# Altium PCB RPIadaptor.PcbDoc (part 1 of 2) (continued)
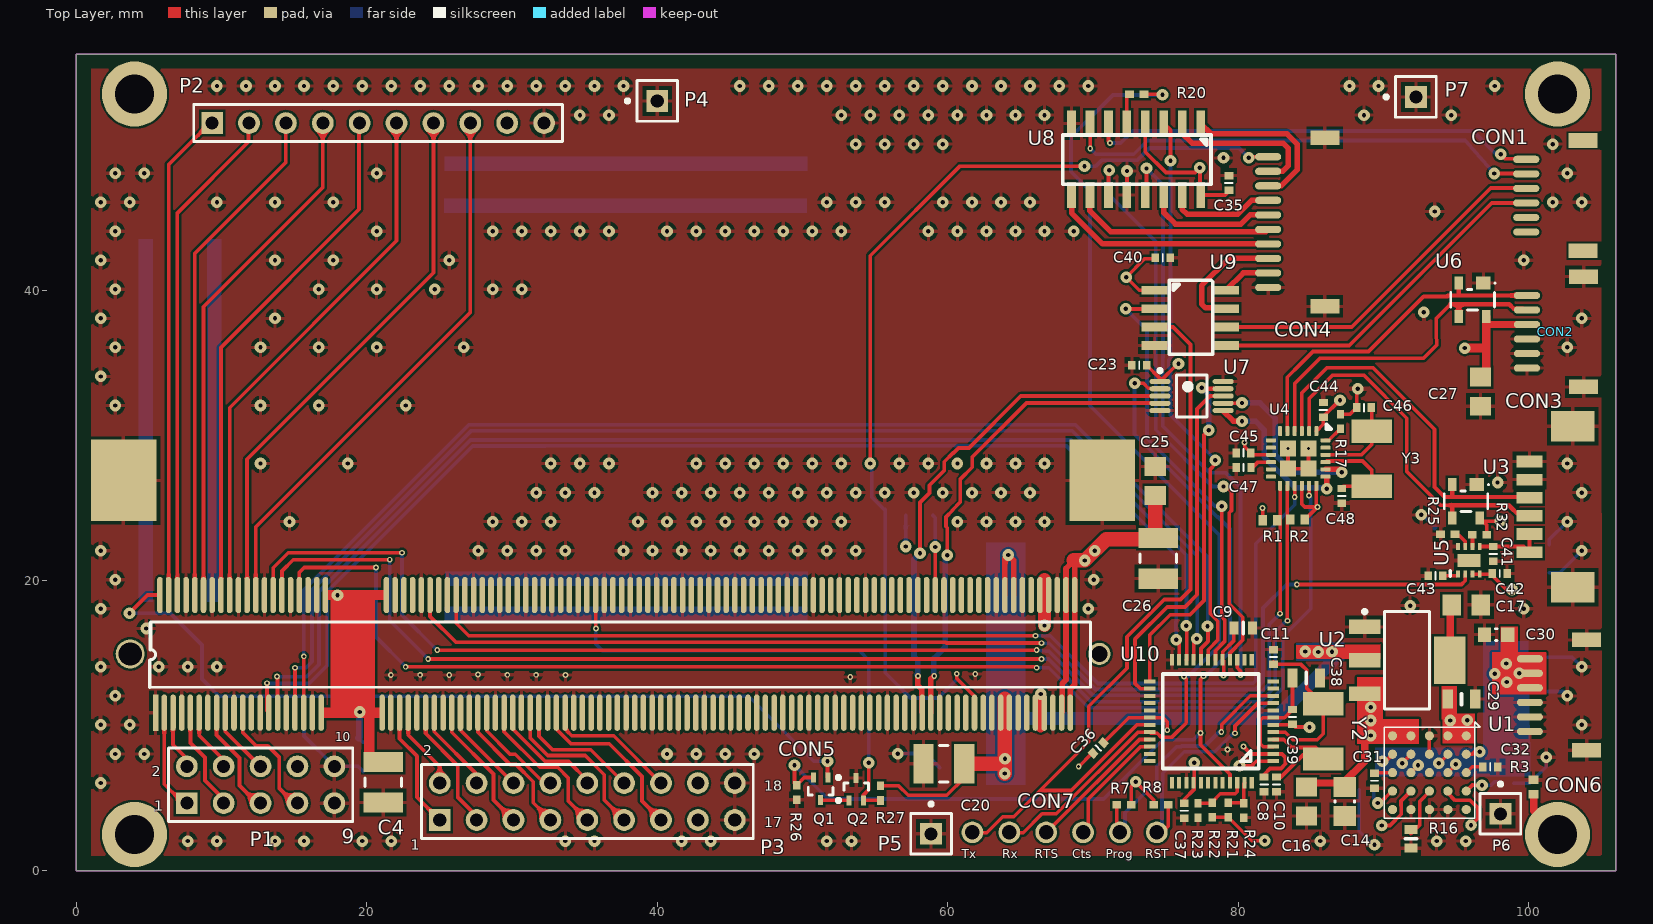
[diagram p0: Top Layer view]
## Footprints (in the part's own frame and the unit in brackets; to place one, negate y for a bottom-side part, rotate by r counter-clockwise, add the part's x,y. Pads: shape width x height; smd on the part's side, far side on the other; paste and mask are expansions set on the pad) (continued)
  rect 5.6x4.5 smd: GND(16,2.7) GND(16,-64.7)
  round 2 hole 1.6 unplated: SODIMM_MH1(4.05,2.25)
  round 1.524 hole 1.1 unplated: SODIMM_MH2(4.05,-64.5)
  silkscreen extent 1.75,-63.9 6.25,0.9, body extent -0.9,-66.9 25.15,4.6, height 5.2
SOIC127P820X265-8N [mm] "SOIC, 8-Leads, Body 6.40x5.71mm, Pitch 1.27mm, IPC Medium Density"
  rect 1.77x0.6 smd: 1(0,8.89) 2(0,7.62) 3(0,6.35) 4(0,5.08) 5(0,3.81) 6(0,2.54) 7(0,1.27) 8(0,0) 9(4.928,0) 10(4.928,1.27) 11(4.928,2.54) 12(4.928,3.81) 13(4.928,5.08) 14(4.928,6.35) 15(4.928,7.62) 16(4.928,8.89)
  silkscreen extent 0.8,-0.6 4.2,9.6, body extent -0.6,-0.5 5.6,9.5, height 1.76
"SON8 (2X2)" [mm]
  rect 0.5x0.25 smd: 1(-0.95,0.75) 2(-0.95,0.25) 3(-0.95,-0.25) 4(-0.95,-0.75) 5(0.95,-0.75) 6(0.95,-0.25) 7(0.95,0.25) 8(0.95,0.75)
  rect 0.9x1.6 smd: 9(-0.01,0)
  silkscreen extent -1.09,1.29 -0.74,1.29, body extent -1,-1.01 1,0.99, height 0.77
SOT143B [mm] "SOT143, 4-Leads, Body 2.90x2.30mm, Pitch 1.90mm, IPC Medium Density"
  rect 0.9x1 smd: 1(-1.15,0.75)
  rect 0.9x0.6 smd: 2(-1.15,-0.95) 3(1.15,-0.95) 4(1.15,0.95)
  silkscreen extent -1.2,-1.5 0.7,1.6, body extent -1.15,-1.5 1.15,1.5, height 1.1
SOT230P700X180-4N [mm] "SOT223, 4-Leads, Body 6.50x7.00mm (avg), Pitch 2.30mm, IPC Medium Density"
  rect 2.15x1 smd: 1(-2.925,-2.3) 2(-2.925,0) 3(-2.925,2.3)
  rect 2.15x3.25 smd: 4(2.925,0)
  silkscreen extent -3.05,-3.35 1.55,3.47, body extent -3.5,-3.35 3.5,3.35, height 1.8
SOT523 [mm]
  rect 0.7x0.35 smd: 1(-0.775,0.5) 2(-0.775,-0.5) 3(0.775,0)
  silkscreen extent -0.9,-0.85 0.43,1.35, body extent -0.8,-0.85 0.8,0.85, height 0.9
T1M-06-F-SH-L-K [mm]
  oval 0.5x1.8 smd: 1(5,0) 2(4,0) 3(3,0) 4(2,0) 5(1,0) 6(0,0)
  rect 1x2 smd: GND(-1.3,-3.9) GND(6.3,-3.9)
  body extent -1.7,-5.48 6.7,0.42, height 4.72
T1M-10-F-SH-L-K [mm]
  oval 0.5x1.8 smd: 1(0,0) 2(-1,0) 3(-2,0) 4(-3,0) 5(-4,0) 6(-5,0) 7(-6,0) 8(-7,0) 9(-8,0) 10(-9,0)
  rect 1x2 smd: GND(-10.3,-3.9) GND(1.3,-3.9)
  body extent -10.7,-5.47 1.7,0.42, height 4.7
VNC2L [mm]
  rect 0.28x0.8 smd: 1(-2.15,-4.45) 2(-1.65,-4.45) 3(-1.15,-4.45) 4(-0.65,-4.45) 5(-0.15,-4.45) 6(0.35,-4.45) 7(0.85,-4.45) 8(1.35,-4.45) 9(1.85,-4.45) 10(2.35,-4.45) 11(2.85,-4.45) 12(3.35,-4.45) 25(3.35,4.05) 26(2.85,4.05) 27(2.35,4.05) 28(1.85,4.05) 29(1.35,4.05) 30(0.85,4.05) 31(0.35,4.05) 32(-0.15,4.05) 33(-0.65,4.05) 34(-1.15,4.05) 35(-1.65,4.05) 36(-2.15,4.05)
  rect 0.8x0.28 smd: 13(4.83,-2.97) 14(4.83,-2.47) 15(4.83,-1.97) 16(4.83,-1.47) 17(4.83,-0.97) 18(4.83,-0.47) 19(4.83,0.03) 20(4.83,0.53) 21(4.83,1.03) 22(4.83,1.53) 23(4.83,2.03) 24(4.83,2.53) 37(-3.63,2.53) 38(-3.63,2.03) 39(-3.63,1.53) 40(-3.63,1.03) 41(-3.63,0.53) 42(-3.63,0.03) 43(-3.63,-0.47) 44(-3.63,-0.97) 45(-3.63,-1.47) 46(-3.63,-1.97) 47(-3.63,-2.47) 48(-3.63,-2.97)
  silkscreen extent -2.65,-3.45 3.85,3.15, body extent -3.89,-4.69 5.09,4.29, height 1.6

## Part data
C4 C20 C26: Capacitance=47µF, Manufacturer=Kemet, Operating Temperature="-55°C ~ 125°C", Package / Case="1210 (3225 Metric)", Ratings=-, Supplier Part Number 1=399-12072-1-ND, Temperature Coefficient=X7R, Tolerance=±20%, Voltage - Rated=10V, Applications="General Purpose", Category=Capacitors, ComponentLink1Description=http://www.alliedelec.com/m/d/51f554c3dd800f51434b811e71a34895.pdf, ComponentLink1URL=http://www.alliedelec.com/m/d/51f554c3dd800f51434b811e71a34895.pdf, Family="Ceramic Capacitors", Features=-, Height - Seated (Max)=-, Lead Spacing=-, Lead Style=-, Manufacturer Part Number=C1210C476M8RAC7800, Mounting Type="Surface Mount, MLCC", Packaging="Tape &amp; Reel (TR)", Pricing 1="1=1.47, 10=1.159, 25=1.0628, 50=1.0046, 100=0.8694, 250=0.7728, 500=0.6569 (USD)", Series=C, Size / Dimension="0.126\" L x 0.098\" W (3.20mm x 2.50mm)", Stock 1=9455, Supplier 1=Digikey, Thickness (Max)="0.110\" (2.80mm)"
C5 C16 C17: Capacitance=10µF, Capacitance Tolerance="± 20%", Capacitor Case Style="0805 [2012 Metric]", Dielectric Characteristic=X7R, Manufacturer=Kemet, Operating Temperature Max=125°C, Operating Temperature Min=-55°C, Supplier Part Number 1=399-7413-1-ND, Voltage Rating=10V, Ceramic Capacitor Case="0805 [2012 Metric]", ComponentLink1Description=https://datasheet.ciiva.com/5408/kem-c1002-x7r-smd-5408794.pdf, ComponentLink1URL=https://datasheet.ciiva.com/5408/kem-c1002-x7r-smd-5408794.pdf, Manufacturer Part Number=C0805C106M8RACTU, MSL="MSL 1 - Unlimited", Packaging="Tape & Reel", Pricing 1="1=0.52, 10=0.362, 25=0.2972, 50=0.2536, 100=0.2174, 250=0.1811, 500=0.163, 1000=0.1377 (USD)", Product Range="KEMET - C Series", Stock 1=17950, Supplier 1=Digikey, SVHC="No SVHC (16-Jun-2014)"
C6: library part "CAP 0805", "0805 CAP"
C7 C24 C28 C29 C38: library part "CAP 0805", "805 Capacitor"
C8 C23 C35 C36 C40 C41 C42 C43: library part "CAP 0402"
C9: library part "CAP 0603", "603 Capacitor"
C10 C11 C37 C39 C46 C48: library part "CAP 0402", "CBR04C680F3GAC"
C14: library part CMP-1036-04876-1, "GRM21BR60J476ME15L", Case-EIA=0805, Case-Metric=2012, Rated Voltage="6.3 V", Tolerance=Â±10%, Max Thickness="1.45 mm", Technology=SMT
C15 C18 C19 C25 C27: Capacitance="0.1 µF", Case Size="0805 (2012 mm)", Dielectric Characteristic=X7R, Manufacturer=Kemet, Manufacturer Part Number=C0805C104K5RAC-TU, Supplier Part Number 1=399-1170-1-ND, Tolerance="-10, +10 %", Voltage, Rating="50 VDC", Brand/Series="C Series", ComponentLink1Description=https://datasheet.ciiva.com/14589/70095383-14589048.pdf, ComponentLink1URL=https://datasheet.ciiva.com/14589/70095383-14589048.pdf, ComponentLink2Description=https://datasheet.ciiva.com/28682/1851736-28682232.pdf, ComponentLink2URL=https://datasheet.ciiva.com/28682/1851736-28682232.pdf, ComponentLink3Description=https://datasheet.ciiva.com/7842/1851736-7842539.pdf, ComponentLink3URL=https://datasheet.ciiva.com/7842/1851736-7842539.pdf, ComponentLink4Description=https://datasheet.ciiva.com/32431/slceramic-chip-condensers-e-32431755.pdf, ComponentLink4URL=https://datasheet.ciiva.com/32431/slceramic-chip-condensers-e-32431755.pdf, ComponentLink5Description=https://datasheet.ciiva.com/18410/70095383-18410815.pdf, ComponentLink5URL=https://datasheet.ciiva.com/18410/70095383-18410815.pdf, Dimensions="0.079\" x 0.049\" (2 x 1.25mm) LxW", Material, Element=Ceramic, Mounting Type=PCB, Packaging="Cut Tape", Pricing 1="1=0.1, 10=0.053, 25=0.0388, 50=0.029, 100=0.0237, 250=0.0198, 500=0.0169, 1000=0.0133 (USD)", Stock 1=2895664, Supplier 1=Digikey, Termination=SMD
C30: library part CMP-1035-01192-1, "GRM188C81E475KE11D", Case-EIA=0603, Case-Metric=1608, Rated Voltage="25 V", Tolerance=Â±10%, Max Thickness="1 mm", Technology=SMT
C31 C32: library part "CAP 0402", "402 Capacitor"
C44 C45: library part "CAP 0402", "402 cap"
C47: library part "CAP 0402", "402"
CON1 CON2 CON6: "6 Positions Header Connector Surface Mount, Right Angle", Manufacturer=Samtec, Supplier Part Number 1=SAM11991-ND, Manufacturer Part Number=T1M-06-F-SH-L-K, Stock 1=0, Supplier 1=Digi-Key
CON3: "CONN HEADER 6POS 1.25MM R/A SMD", Manufacturer=Molex, Supplier Part Number 1=WM7624CT-ND, Category="Connector Headers and PCB Receptacles", ComponentLink1Description=https://datasheet.ciiva.com/6813/532610671-sd-6813952.pdf, ComponentLink1URL=https://datasheet.ciiva.com/6813/532610671-sd-6813952.pdf, ComponentLink2Description=https://datasheet.ciiva.com/3933/353410532610671-pcb-headers-3933365.pdf, ComponentLink2URL=https://datasheet.ciiva.com/3933/353410532610671-pcb-headers-3933365.pdf, ComponentLink3Description=https://datasheet.ciiva.com/6813/532610671-sd-6813942.pdf, ComponentLink3URL=https://datasheet.ciiva.com/6813/532610671-sd-6813942.pdf, ComponentLink4Description=https://datasheet.ciiva.com/3117/0532610671-pcb-headers-3117609.pdf, ComponentLink4URL=https://datasheet.ciiva.com/3117/0532610671-pcb-headers-3117609.pdf, ComponentLink5Description=https://datasheet.ciiva.com/3117/0532610671-pcb-headers-3117610.pdf, ComponentLink5URL=https://datasheet.ciiva.com/3117/0532610671-pcb-headers-3117610.pdf, ComponentLink6Description=https://datasheet.ciiva.com/6813/532610671-sd-6813947.pdf, ComponentLink6URL=https://datasheet.ciiva.com/6813/532610671-sd-6813947.pdf, ComponentLink7Description=https://datasheet.ciiva.com/48768/0532610671-pcb-headers-48768267.pdf, ComponentLink7URL=https://datasheet.ciiva.com/48768/0532610671-pcb-headers-48768267.pdf, Contact Plating="Tin Over Nickel", Gender=HDR, Manufacturer Part Number=0532610671, Number of Contacts=6, Number of Rows=1, Packaging="Cut Tape", Pitch="1.25 mm", Pricing 1="1=1.37, 10=1.239, 100=1.0624, 500=0.8853 (USD)", Stock 1=23842, Supplier 1=Digi-Key, Termination Method=Solder, Type="Shrouded Header"
CON4: "10 Positions Header Connector Surface Mount, Right Angle"
CON5: Manufacturer="TE Connectivity (Tyco Electronics)", Standard Package=20, Supplier Part Number 1=A114851-ND, 3D Model=1473005-4.pdf, Category="Connectors, Interconnects", ComponentLink1Description=https://datasheet.ciiva.com/682/eng-cd-1473005-j2-682720.pdf, ComponentLink1URL=https://datasheet.ciiva.com/682/eng-cd-1473005-j2-682720.pdf, ComponentLink2Description=https://datasheet.ciiva.com/15171/getdatasheetpartid-99150-15171488.pdf, ComponentLink2URL=https://datasheet.ciiva.com/15171/getdatasheetpartid-99150-15171488.pdf, ComponentLink3Description=https://datasheet.ciiva.com/1105/582309-1105221.pdf, ComponentLink3URL=https://datasheet.ciiva.com/1105/582309-1105221.pdf, ComponentLink4Description=https://datasheet.ciiva.com/682/eng-cd-1473005-j2-682726.pdf, ComponentLink4URL=https://datasheet.ciiva.com/682/eng-cd-1473005-j2-682726.pdf, ComponentLink5Description=https://datasheet.ciiva.com/14156/04821302-14156311.pdf, ComponentLink5URL=https://datasheet.ciiva.com/14156/04821302-14156311.pdf, ComponentLink6Description=https://datasheet.ciiva.com/3136/eng-cd-1473005-j-3136060.pdf, ComponentLink6URL=https://datasheet.ciiva.com/3136/eng-cd-1473005-j-3136060.pdf, ComponentLink7Description=https://datasheet.ciiva.com/16380/eng-cd-1473005-j-16380909.pdf, ComponentLink7URL=https://datasheet.ciiva.com/16380/eng-cd-1473005-j-16380909.pdf, ComponentLink8Description=https://datasheet.ciiva.com/16651/eng-cd-1473005-j-16651646.pdf, ComponentLink8URL=https://datasheet.ciiva.com/16651/eng-cd-1473005-j-16651646.pdf, Connector Style=SODIMM, Contact Finish=Gold, Contact Finish Thickness=Flash, Family="Memory Connectors - Inline Module Sockets", Features="Board Guide, Latches", Manufacturer Part Number=1473005-4, Memory Type="DDR 2 SDRAM", Minimum Quantity=SODIMM, Mounting Feature=Standard, Mounting Type="Surface Mount, Right Angle", Number of Positions=200, Other Names="1473005-4-ND / A114851", Packaging=Tray, Pricing 1="1=3.9, 10=3.744, 50=3.276, 100=3.12, 250=2.73, 500=2.652, 1000=2.262, 2500=2.106 (USD)", Quantity Available=Tray, RoHS Information="1473005-4 Statement of Compliance /  / RoHS 2 Statement", Series=AMP, Stock 1=1922, Supplier 1=Digikey, Unit PriceUSD=AMP
P1: "Header, 5-Pin, Dual row", LatestRevisionDate=17-Jul-2002, LatestRevisionNote="Re-released for DXP Platform.", Publisher="Altium Limited"
P2: "Header, 10-Pin", LatestRevisionDate=17-Jul-2002, LatestRevisionNote="Re-released for DXP Platform.", Publisher="Altium Limited"
P3: "Header, 9-Pin, Dual row", LatestRevisionDate=17-Jul-2002, LatestRevisionNote="Re-released for DXP Platform.", Publisher="Altium Limited"
Q1 Q2: "N-Channel MOSFET", Drain-Source On Resistance-Max="400 mO", Drain-to-Source Voltage [Vdss]="20 V", Manufacturer=Diodes, Rated Power Dissipation="280 mW", Supplier Part Number 1=DMG1012T-7DICT-ND, Channel Type=N-Channel, ComponentLink1Description=https://datasheet.ciiva.com/934/ds31783-934512.pdf, ComponentLink1URL=https://datasheet.ciiva.com/934/ds31783-934512.pdf, ComponentLink2Description=https://datasheet.ciiva.com/4442/ds31783-44973-4442944.pdf, ComponentLink2URL=https://datasheet.ciiva.com/4442/ds31783-44973-4442944.pdf, ComponentLink3Description=https://datasheet.ciiva.com/11174/ds31783-11174965.pdf, ComponentLink3URL=https://datasheet.ciiva.com/11174/ds31783-11174965.pdf, ComponentLink4Description=https://datasheet.ciiva.com/17324/ds31783-17324010.pdf, ComponentLink4URL=https://datasheet.ciiva.com/17324/ds31783-17324010.pdf, ComponentLink5Description=https://datasheet.ciiva.com/6383/ds31783-6383803.pdf, ComponentLink5URL=https://datasheet.ciiva.com/6383/ds31783-6383803.pdf, ComponentLink6Description=https://datasheet.ciiva.com/934/ds31783-934511.pdf, ComponentLink6URL=https://datasheet.ciiva.com/934/ds31783-934511.pdf, LatestRevisionDate=17-Jul-2002, LatestRevisionNote="Re-released for DXP Platform.", Manufacturer Part Number=DMG1012T-7, PackageDescription="TO, Flat Index; 3 In-Line, Axial Leads; Body Dia. 4.6mm; Lead Dia. 0.5 mm (max)", PackageReference=E3, PackageVersion=1995/1996, Pricing 1="1=0.33, 10=0.268, 100=0.1421, 500=0.0935, 1000=0.0636 (USD)", Published=8-Jun-2000, Publisher="Altium Limited", Qg Gate Charge="0.74 nC", Stock 1=327, Supplier 1=Digikey
R1 R2 R3 R7 R8 R14 R15 R17 R20 R21 R22 R23 R24 R25 R26 R27 R32: library part "RES 0402", "402 Resistor"
R9: library part CRCW080510K0FKEA_ESTE, Case Code - in=0805, Case Code - mm=2012, Case Height="0.45 mm", Case Length="2 mm", Case Width="1.25 mm", Manufacturer=Vishay, Manufacturer Part Number=CRCW080510K0FKEA, Operating Temperature Range="- 55 C to + 155 C", Package / Case="0805 (2012 metric)", Power Rating="125 mW (1/8 W)", Resistance="10 kOhms", Supplier Part Number 1=541-10.0KCCT-ND, Temperature Coefficient="100 PPM / K", Tolerance="1 %", Voltage Rating="150 V", Brand="Vishay / Dale", ComponentLink1Description=https://datasheet.ciiva.com/5547/dcrcwe3-109170-5547559.pdf, ComponentLink1URL=https://datasheet.ciiva.com/5547/dcrcwe3-109170-5547559.pdf, ComponentLink2Description=https://datasheet.ciiva.com/11808/0900766b80d98b26-11808216.pdf, ComponentLink2URL=https://datasheet.ciiva.com/11808/0900766b80d98b26-11808216.pdf, ComponentLink3Description=https://datasheet.ciiva.com/16719/70201119-16719082.pdf, ComponentLink3URL=https://datasheet.ciiva.com/16719/70201119-16719082.pdf, ComponentLink4Description=https://datasheet.ciiva.com/16514/dcrcwe3-16514907.pdf, ComponentLink4URL=https://datasheet.ciiva.com/16514/dcrcwe3-16514907.pdf, ComponentLink5Description=https://datasheet.ciiva.com/16883/dcrcwe3-16883708.pdf, ComponentLink5URL=https://datasheet.ciiva.com/16883/dcrcwe3-16883708.pdf, ComponentLink6Description=https://datasheet.ciiva.com/8337/dcrcwe3-8337773.pdf, ComponentLink6URL=https://datasheet.ciiva.com/8337/dcrcwe3-8337773.pdf, ComponentLink7Description=https://datasheet.ciiva.com/16755/70201119-16755389.pdf, ComponentLink7URL=https://datasheet.ciiva.com/16755/70201119-16755389.pdf, ComponentLink8Description=https://datasheet.ciiva.com/46394/1720486-46394381.pdf, ComponentLink8URL=https://datasheet.ciiva.com/46394/1720486-46394381.pdf, ComponentLink9Description=https://datasheet.ciiva.com/8337/dcrcwe3-8337774.pdf, ComponentLink9URL=https://datasheet.ciiva.com/8337/dcrcwe3-8337774.pdf, ComponentLink10Description=https://datasheet.ciiva.com/16199/dcrcwe3-16199086.pdf, ComponentLink10URL=https://datasheet.ciiva.com/16199/dcrcwe3-16199086.pdf, Factory Pack Quantity=5000, Packaging=Reel, Pricing 1="1=0.1, 10=0.042, 25=0.0304, 50=0.0232, 100=0.017, 250=0.013, 500=0.0104, 1000=0.0077 (USD)", Product="Thick Film Resistors SMD", Product Category="Thick Film Resistors - SMD", RoHS=Details, Series=CRCW, Stock 1=0, Supplier 1=Digikey, Unit Weight="0.000194 oz"
R16: library part "RES 0603", "603 Resistor"
U1: library part LTM4622, "Dual Ultrathin 2.5A or Single 5A Step-Down DC/DC µModule Regulator", Ref=LTM4622IV#PBF
U2: "LDO", Dropout Voltage@Current (Max)=1.2@100mA/1.25@500mA, Dropout Voltage@Current (Typ)=1.1@100mA/1.15@500mA, Input Voltage="15 V", Manufacturer="Texas Instruments (TI) / National Semiconductor", Operating Temperature Classification=Commercial, Operating Temp Range="0C to 125C", Output Current="1.5 A", Output Voltage="1.8 V", Output Voltage Accuracy="?1 %", Package Type=SOT-223, Quiescent Current (Max)="10 mA", Supplier Part Number 1=LM1117MPX-1.8/NOPBCT-ND, Voltage Regulator Type=Linear, ComponentLink1Description=https://datasheet.ciiva.com/34302/1282521-34302144.pdf, ComponentLink1URL=https://datasheet.ciiva.com/34302/1282521-34302144.pdf, ComponentLink2Description=https://datasheet.ciiva.com/15111/getdatasheetpartid-112508-15111793.pdf, ComponentLink2URL=https://datasheet.ciiva.com/15111/getdatasheetpartid-112508-15111793.pdf, ComponentLink3Description=https://datasheet.ciiva.com/3223/lm1117-n-3223526.pdf, ComponentLink3URL=https://datasheet.ciiva.com/3223/lm1117-n-3223526.pdf, ComponentLink4Description=https://datasheet.ciiva.com/3223/lm1117-n-3223527.pdf, ComponentLink4URL=https://datasheet.ciiva.com/3223/lm1117-n-3223527.pdf, ComponentLink5Description=https://datasheet.ciiva.com/6591/lm1117-n-6591863.pdf, ComponentLink5URL=https://datasheet.ciiva.com/6591/lm1117-n-6591863.pdf, ComponentLink6Description=https://datasheet.ciiva.com/6591/lm1117-n-6591864.pdf, ComponentLink6URL=https://datasheet.ciiva.com/6591/lm1117-n-6591864.pdf, ComponentLink7Description=https://datasheet.ciiva.com/6591/lm1117-n-6591865.pdf, ComponentLink7URL=https://datasheet.ciiva.com/6591/lm1117-n-6591865.pdf, ComponentLink8Description=https://datasheet.ciiva.com/46386/1882372-46386047.pdf, ComponentLink8URL=https://datasheet.ciiva.com/46386/1882372-46386047.pdf, DELETED=Compliant, Input Voltage (Max)="15 V", Line Regulation=1mV, Load Regulation=1mV, Manufacturer Part Number=LM1117MPX-1.8/NOPB, Mounting="Surface Mount", Number of Outputs=Single, Packaging="Tape and Reel", Pin Count="3 +Tab", Polarity Type=Positive, Pricing 1="1=1.04, 10=0.927, 100=0.7225, 500=0.5969, 1000=0.4712 (USD)", Rad Hardened=No, Regulator Output Type=Fixed, Stock 1=19027, Supplier 1=Digikey, Topology=LDO
U3 U6: "TVS DIODE 5.5VWM SOT143B", Capacitance Value=16pF, ESD Protection Voltage="8KV@Contact Disc", Leakage Current=0.1uA, Manufacturer="NXP Semiconductors", Operating Temperature Classification=Industrial, Operating Temperature Max Deg. C=85C, Operating Temperature Min Deg. C=-40C, Operating Temp Range="-40C to 85C", Package / Case=SOT, Reverse Breakdown Voltage="6 V", Reverse Stand-off Voltage="5.5 V", Supplier Part Number 1=1727-3884-1-ND, Working Voltage=5.5V, ComponentLink1Description=https://datasheet.ciiva.com/4479/prtr5v0u2x-102853-4479461.pdf, ComponentLink1URL=https://datasheet.ciiva.com/4479/prtr5v0u2x-102853-4479461.pdf, ComponentLink2Description=https://datasheet.ciiva.com/16199/prtr5v0u2x-16199605.pdf, ComponentLink2URL=https://datasheet.ciiva.com/16199/prtr5v0u2x-16199605.pdf, ComponentLink3Description=https://datasheet.ciiva.com/28409/109718-28409830.pdf, ComponentLink3URL=https://datasheet.ciiva.com/28409/109718-28409830.pdf, ComponentLink4Description=https://datasheet.ciiva.com/6918/109718-6918650.pdf, ComponentLink4URL=https://datasheet.ciiva.com/6918/109718-6918650.pdf, ComponentLink5Description=https://datasheet.ciiva.com/335/prtr5v0u2x-335467.pdf, ComponentLink5URL=https://datasheet.ciiva.com/335/prtr5v0u2x-335467.pdf, ComponentLink6Description=https://datasheet.ciiva.com/25919/prtr5v0u2x-25919147.pdf, ComponentLink6URL=https://datasheet.ciiva.com/25919/prtr5v0u2x-25919147.pdf, ComponentLink7Description=https://datasheet.ciiva.com/11193/prtr5v0u2x-11193230.pdf, ComponentLink7URL=https://datasheet.ciiva.com/11193/prtr5v0u2x-11193230.pdf, ComponentLink8Description=https://datasheet.ciiva.com/31402/109718-31402206.pdf, ComponentLink8URL=https://datasheet.ciiva.com/31402/109718-31402206.pdf, ComponentLink9Description=https://datasheet.ciiva.com/26787/prtr5v0u2x-215-26787348.pdf, ComponentLink9URL=https://datasheet.ciiva.com/26787/prtr5v0u2x-215-26787348.pdf, Configuration=Quad, Direction Type=Uni-Directional, Leakage Current (Max)=0.1uA, Manufacturer Part Number=PRTR5V0U2X,215, Mounting="Surface Mount", Mounting Style="Surface Mount", Number of  Elements=1, Package Type=SOT, Packaging="Tape and Reel", Pin Count="3 +Tab", Polarity=Uni-Directional, Pricing 1="1=0.52, 10=0.447, 100=0.334, 500=0.2624, 1000=0.2028 (USD)", Product Depth (mm)="1.4 mm", Product Height (mm)="1 mm", Product Length (mm)="3 mm", Rad Hardened=No, Stock 1=73838, Supplier 1=Digi-Key, Suppressor Type="Diode Arrays", Working Voltage (Max)=5.5V
U7: "2 ports USB switch", Analog Switch ON Resistance=6.5@3VOhm, Dual Supply Voltage (Max)="Not RequiredV", Manufacturer="Fairchild Semiconductor", Manufacturer Part Number=FSUSB42MUX, Operating Temperature Classification=Industrial, Operating Temp Range="-40C to 85C", Package Type=MSOP, Power Supply Requirement=Single, Single Supply Voltage (Max)=4.4V, Single Supply Voltage (Min)=3V, Supplier Part Number 1=FSUSB42MUXDKR-ND, Analog Switch Turn Off Time=12(Typ)@3.3Vns, Analog Switch Turn On Time=13(Typ)@3.3Vns, ComponentLink1Description=https://datasheet.ciiva.com/26074/fsusb42-26074738.pdf, ComponentLink1URL=https://datasheet.ciiva.com/26074/fsusb42-26074738.pdf, ComponentLink2Description=https://datasheet.ciiva.com/3232/fsusb42-3232662.pdf, ComponentLink2URL=https://datasheet.ciiva.com/3232/fsusb42-3232662.pdf, ComponentLink3Description=https://datasheet.ciiva.com/3233/fsusb42-3233258.pdf, ComponentLink3URL=https://datasheet.ciiva.com/3233/fsusb42-3233258.pdf, ComponentLink4Description=https://datasheet.ciiva.com/1666/fsusb42-1666347.pdf, ComponentLink4URL=https://datasheet.ciiva.com/1666/fsusb42-1666347.pdf, ComponentLink5Description=https://datasheet.ciiva.com/1666/fsusb42-1666348.pdf, ComponentLink5URL=https://datasheet.ciiva.com/1666/fsusb42-1666348.pdf, ComponentLink6Description=https://datasheet.ciiva.com/1666/fsusb42-1666349.pdf, ComponentLink6URL=https://datasheet.ciiva.com/1666/fsusb42-1666349.pdf, ComponentLink7Description=https://datasheet.ciiva.com/4924/fsusb42-112719-4924269.pdf, ComponentLink7URL=https://datasheet.ciiva.com/4924/fsusb42-112719-4924269.pdf, Dual Supply Voltage (Min)="Not RequiredV", Dual Supply Voltage (Typ)="Not RequiredV", Mounting="Surface Mount", Multiplexer Configuration="Single DPDT", Number of Channels=1, Number of Inputs=2, Number of Outputs=4, Packaging="Tape and Reel", Pin Count=10, Pricing 1="1=0.62, 10=0.544, 100=0.4169, 500=0.3296, 1000=0.2637 (USD)", Stock 1=2789, Supplier 1=Digikey
Y3: library part 7A-12.000MAAE-T
P4 P5 P6 P7: LatestRevisionDate=17-Jul-2002, LatestRevisionNote="Re-released for DXP Platform.", Publisher="Altium Limited"

## Free pads (board coordinates)
  round 0.8 hole 0.3: 2(89.9,3.125) 2(96.046,3.15)
  round 4.5 hole 2.7: MH1(4,2.5) MH1(4,53.5) MH1(102,2.5) MH1(102,53.5)

## Via types
v1: diameter 0.8, hole 0.3, Top Layer to Bottom Layer, 301 vias
v2: diameter 0.4, hole 0.2, Top Layer to Bottom Layer, 51 vias

## Nets (pads, with @x,y where several pads share a name; then routed paths per layer and width w, separated by ;. In a path a pad name is that pad's centre, name@x,y a point inside that pad or via, vN(x,y) a via of type N, cw(c..) or ccw(c..) an arc to the next point about the centre after c; other vN are vias at no path point)
1V8P: C19.1 C20.1 CON5.183 CON5.184 CON5.185 CON5.186 R27.1 U2.2 | length 47.1
  Top Layer w0.254: R27.1@55.375,5.85 56.639,5.85 57.289,5.2 59.946,5.2 61.136,6.39 C20.1@61.136,7.373 ; 63.925,11.859 63.941,11.875 ; v1@63.95,21.525 v1(64.175,21.75)
  Top Layer w0.38: CON5.184@63.95,18.99 v1@63.95,21.525 ; v1(64.175,21.75) 64.55,21.375 CON5.186@64.55,18.99
  Top Layer w1: C20.1@61.136,7.373 63.598,7.373 ; v1(63.925,6.7) 63.925,11.859
  Bottom Layer w0.5: C19.1@61.447,7.109 63.098,7.109
  Bottom Layer w0.9: 64.65,11.35 65.5,10.5 78.182,10.5 78.205,10.477 82.541,10.477 86.475,14.411 v1(86.475,15.098)
  other v1: 63.95,7.725 85.518,15.075 84.619,15.107
3V3P: C4.1 C5.1 C8.1 C9.1 C14.2 C15.1 C16.1 C23.1 C35.1 C36.1 C37.1 C40.1 C44.1 C45.1 CON5.39 CON5.40 CON5.41 CON5.42 CON5.191 CON5.192 CON5.193 CON5.194 P1.8 P2.9 P3.15 P3.16 R1.2 R2.2 R7.2 R8.2 R9.1 R21.1 R22.2 U1.D1 U1.E1 U2.1 U4.1 U4.9 U4.16 U4.18 U7.1 U8.4 U8.16 U9.1 U10.2 U10.17 U10.30 U10.40 | length 82.4
  Top Layer w0.254: C36.1@70.734,8.816 72.468,10.55 U10.30@73.925,10.55 74.831,10.55 75.125,10.256 v2(75.125,9.688) ; R7.2@72.65,4.55 72.65,5.825 v1(72.95,6.125) 74.2,4.875 R8.2@74.2,4.55 ; U8.4@73.615,51.479 73.615,49.515 75.031,48.1 77.05,48.1 v1(77.375,48.425) 77.375,46.601 U8.16@77.425,46.551 79.126,46.551 C35.1@79.4,46.825 ; C23.1@73.708,34.825 74.625,33.908 U7.1@74.625,33.7 75.85,34.925 v1(75.9,34.925) ; U9.1@74.254,39.989 73.201,39.989 v1(72.301,40.889) 73.562,42.15 C40.1@74.35,42.15 ; C37.1@76.3,4.649 76.3,4.931 76.975,5.606 v1(76.975,7.45) ; R22.2@78.225,3.694 R21.1@79.325,3.694 80.944,2.075 v1(81.85,2.075) ; v2(79.006,13.441) 79.006,14.469 U10.17@78.945,14.53 78.945,15.085 79.715,15.855 C9.1@79.715,16.725 ; v2(80.375,8.558) 80.883,8.05 U10.2@82.425,8.05 83.025,8.05 83.275,7.8 83.275,7.368 82.957,7.05 82.2,7.05 81.8,6.65 C8.1@81.8,6.458 ; v2(80.455,29.5) 80.455,29.214 C45.1@80.883,28.786 ; C45.1@80.883,28.65 U4.9@82.268,28.65 ; v2(81.675,24.997) 81.7,24.972 R1.2@81.7,24.15 ; U4.16@84.398,26.52 84.398,25.255 84.6,25.052 ; R2.2@84.6,24.2 84.611,24.189 v2(85.475,25.053) ; 84.6,25.053 v2(85.475,25.053) ; C16.1@84.725,6.075 C16.1@84.743,6.057 ; U4.18@85.398,26.52 85.398,25.13 v2(85.475,25.053) ; U4.1@85.398,30.28 85.875,30.757 C44.1@85.875,31.238 85.875,31.29 86.985,32.4 v1(87.025,32.4) ; 88.55,12.975 88.725,12.8
  Top Layer w0.5: C16.1@84.743,6.057 87.25,6.057 88.725,7.532 88.725,9.9
  Top Layer w0.7: 17.108,10.89 CON5.41@20.875,10.89 ; 17.408,18.99 CON5.42@21.175,18.99 ; 66.407,9.887 v1(66.407,12.175)
  Top Layer w0.9: v1(66.675,16.9) 66.675,20.067
  Bottom Layer w0.254: v1@19.368,11.1 19.5,10.968 v1(19.5,10.94) ; C15.1@19.445,9.148 C15.1@19.747,8.846 ; v1(57.119,22.336) R9.1@57.119,24.479
  Bottom Layer w0.5: C5.1@17.675,11.1 v1@19.368,11.1 ; C15.1@19.445,9.148 19.5,9.203 v1(19.5,10.94)
  other v1: 89.147,9.324 89.152,10.353 89.146,11.275 17.975,18.975
5VP: C6.2 C7.2 C18.1 C25.1 C26.1 C27.1 C29.2 C42.1 CON2.3 CON5.197 CON5.198 CON5.199 CON5.200 R32.1 U1.A1 U1.B1 U3.4 U5.3 U5.4 U6.4 | length 45.2
  Top Layer w0.254: CON5.197@67.85,10.89 CON5.197@67.888,10.928 ; 68.7,21.375 68.75,21.325 ; C26.1@74.3,23.125 C26.1@74.5,22.925 ; U5.3@96.15,20.436 U5.4@96.65,20.436 97.414,20.436 98.475,19.375 v1(98.87,19.375) ; U3.4@96.65,24.3 U3.4@96.875,24.075 ; C27.1@96.7,34 C27.1@97.1,34.4 ; R32.1@97.125,23.15 97.125,23.825 U3.4@96.875,24.075 ; v1(98.05,24.075) U3.4@96.875,24.075
  Top Layer w0.4: CON5.197@67.888,10.928 67.888,12.9 68.15,13.162 68.15,20.825 68.7,21.375 ; CON5.199@68.45,10.89 68.45,12.525 68.75,12.825 68.75,21.325
  Top Layer w0.5: 97.175,37.625 CON2.3@99.95,37.625
  Top Layer w0.6: v1(95.625,36.004) 97.1,36.004 ; C27.1@97.1,34.4 97.1,36.004 ; U6.4@97.1,38.15 97.1,36.004
  Top Layer w1: 68.7,21.375 v1(69.45,21.375) 70.925,22.85 74.425,22.85 C26.1@74.5,22.925 ; C26.1@74.3,23.125 C25.1@74.3,25.85
  other v1: 94.625,10.35 95.775,10.375 70.141,22.05
C\A\M\_\S\W\: CON5.52 U5.2 | length 81.5
  Top Layer w0.254: CON5.52@24.35,18.992 24.35,17.523 26.132,15.741 59.85,15.741 59.905,15.685 v2@66.475,15.685 ; v2(66.475,15.677) v2@66.475,15.685 ; v2@66.475,15.75 v2@66.475,15.685 ; v2(84.048,19.723) 95.398,19.723 95.65,19.975 U5.2@95.65,20.436 U5.2@95.648,20.434
  Bottom Layer w0.254: v2(66.475,15.677) 66.998,15.677 70.186,12.489 81.198,12.489 81.725,13.016 81.725,18.095 83.355,19.725 v2@84.05,19.725
CAM: C41.1 CON3.1 CON3.2 U5.5 | length 4.8
  Top Layer w0.254: U5.5@96.65,22.336 97.572,22.336 C41.1@97.575,22.333 99.682,22.333 CON3.1@100.07,21.945 CON3.2@100.07,23.195
CAM2H_N: CON3.3 U3.3 U4.2 | length 24.5
  Top Layer w0.254: U4.2@84.898,30.28 84.915,30.297 84.915,32.54 85.325,32.95 86.5,34.125 88.675,34.125 91.625,31.175 91.625,27.5 93.95,25.175 94.548,25.175
  Top Layer w0.3: 94.548,25.175 94.725,25.175 ; U3.3@94.75,24.3 94.75,25.15 94.725,25.175 ; CON3.3@99.425,24.4 98.65,25.175 94.725,25.175
CAM2H_P: CON3.4 U3.2 U4.3 | length 25.9
  Top Layer w0.254: U4.3@84.398,30.28 84.398,32.923 86.125,34.65 89.302,34.65 93.536,30.416 93.536,26.439
  Top Layer w0.3: 93.536,26.439 94.225,25.75 94.75,25.75 ; U3.2@94.75,26.6 94.75,25.75 ; CON3.4@100.07,25.695 100.015,25.75 94.75,25.75
Chassis: pad.MH1@102,2.5 R3.1 | length 3.2
  Top Layer w0.5: R3.1@100.375,5.05 100.375,4.125 pad.MH1@102,2.5
CTS#: CON7.4 U10.34 | length 8.1
  Top Layer w0.254: CON7.4@69.68,2.625 69.68,4.943 73.287,8.55 U10.34@73.925,8.55